# KiCad board MiniCamel_long.kicad_pcb (continued)
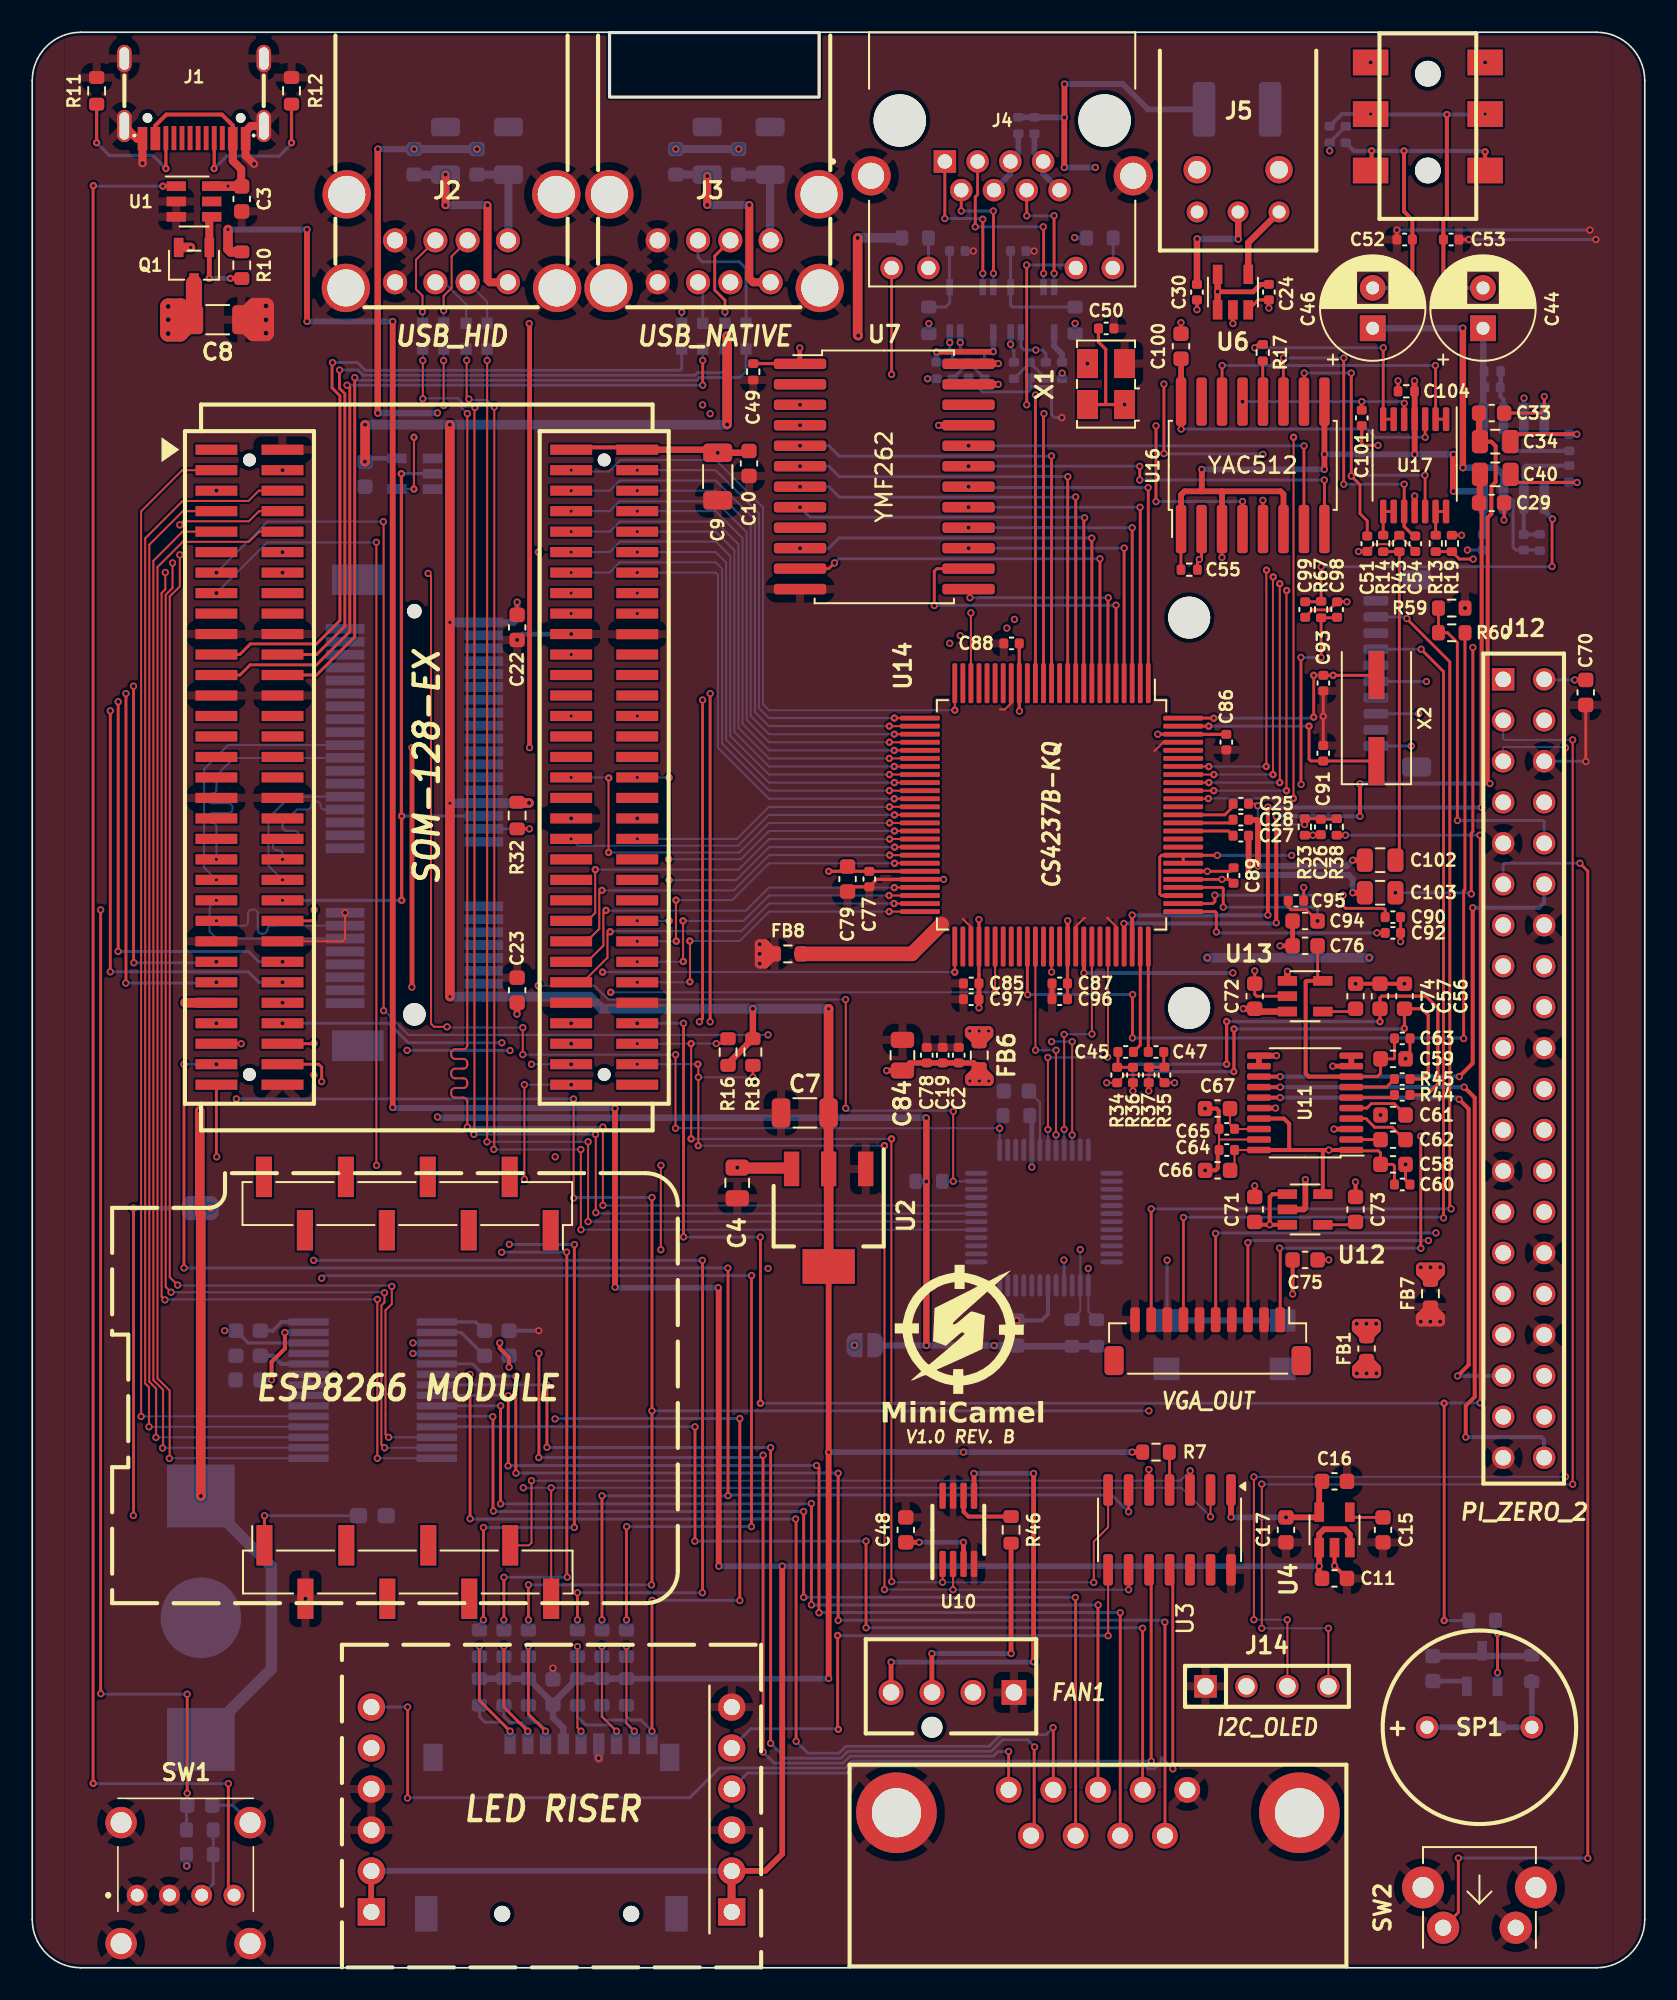
[diagram p0: board, top side]
## Routing (per net, layer and track width the routed paths; a pad name or vN(x,y) marks a point on that pad's centre or on a via; arc(x,y) is an arc through that point) (continued)
SGND: length 19.5
  Top w0.127: U14.71 67.21,64.55 66.68,65.09 66.68,65.11 ; U14.97 70.14,75.98 69.6,75.44 ; U14.53 58.21,64.53 57.71,65.03 ; U14.66 64.71,64.55 65.25,65.09 65.28,65.09 ; U14.18 60.71,78.4 60.33,78.02 60.01,78.02
  Top w0.9: 56.4,64.71 54.55,62.86 FB8.2
VBUS: length 225.7
  Top w0.25: 7.63,113.41 7.63,114.22 8.32,114.9 11.76,114.9 12.25,114.41 12.25,114.41 12.44,114.22 J1.A4/B9
  Top w0.36: 43.37,6 45.45,6 46.51,7.06 v1(46.51,24.9) ; U4.3 81.71,26.88 81.4,27.19 80.11,27.19 79.81,26.89 U4.1 79.81,24.31 ; v1(17.04,107.77) v1(17.04,102.08) ; v1(22.36,102.07) 22.35,102.06 v1(22.35,53.34) ; v1(36.14,42.2) v1(36.14,53.28) ; v1(42.54,42.16) 42.57,42.13 42.57,24.91 v1(42.58,24.9) ; 21.02,6 21.02,3.46
  Top w0.5: 43.37,6 43.37,3.46 ; J1.A4/B9 12.44,112.03 12.96,111.51 12.96,110.47 12.98,110.46
  Top w0.6: C3.2 12.98,110.46 U1.6 ; v2(9.82,106.66) Q1.3 ; R10.2 12.31,106.38 12.14,106.56 v2(12.14,107.77)
  In2.Cu w0.6: v2(12.14,110.46) v2(12.14,107.77) 12.14,106.99 11.81,106.66 v2(9.82,106.66)
  Bottom w0.36: v1(36.14,53.28) 36.11,53.31 22.38,53.31 v1(22.35,53.34) ; v1(42.58,24.9) v1(46.51,24.9) v1(79.81,24.9) ; v1(17.04,102.08) 17.05,102.07 v1(22.36,102.07) ; v1(17.04,107.77) v2(12.14,107.77) ; v1(36.14,42.2) 36.18,42.16 v1(42.54,42.16) ; 43.37,6 21.02,6
VCC: length 88
  Top w0.127: C4.1 v1(43.72,49.6) 43.75,49.58 ; 75.98,46.06 C71.1 ; 77.84,61.78 v1(77.84,61.78) ; 10.02,104.45 Q1.2 ; P1.B2 37.44,94.2
  Top w0.18: 93.8,79.84 J12.2 ; C70.1 v1(95.66,79.84) ; 20.43,13.88 20.42,13.87
  Top w0.2: C49.1 47.6,99.46 ; 66.57,96.92 66.57,100.35 66.12,100.8 C50.1 ; X1.4 v1(67.74,96.92)
  Top w0.25: 37.44,94.2 37.38,94.26 33.56,94.26 P1.B1 ; U12.1 76.92,47.96 76.74,47.79 v1(76.74,46.06) ; v1(76.74,46.06) 75.98,46.06 ; v1(76.74,46.06) 77.84,46.06
  Top w0.3: C24.2 76.18,104.37 75.72,103.91 73.51,103.91 ; 47.6,99.46 v1(47.6,100.43)
  Top w0.35: v1(52.98,55.62) 53,55.63 C84.2 54.43,56.1 C78.2 C2.2 58.38,56.1 FB6.1 58.72,54.99 v2(58.73,54.98)
  Top w0.4: C30.1 72.23,107.18 v1(72.24,107.19) ; v1(75.1,59.46) C72.1 75.98,59.28 77.84,59.28 ; P1.B2 42.32,94.12 v1(42.51,93.93) 44.34,93.93 C10.1 ; U13.1 77.84,61.78 ; 47.6,99.46 47.61,99.44 ; U6.5 v1(73.51,103.92) U6.1 ; v1(74.79,107.18) 74.79,108.85 J5.2
  Top w0.6: 82.75,37.76 82.15,37.15 v1(82.15,36.85) v1(83.35,36.85) 83.35,37.15 82.75,37.76 ; 82.75,37.76 v1(82.75,36.85) ; v2(58.15,54.98) 58.15,55.18 FB6.1 59.32,55.16 v2(59.32,54.98) v2(58.15,54.98)
  Top w0.7: U2.3 47.04,49.58 43.75,49.58
  Top w1: C8.1 9.2,103 v3(8.43,103) v3(8.43,101.32) 9.16,101.32 C8.1 ; C8.1 10.02,104.45 ; C8.1 v3(8.43,102.18)
  Bottom w0.18: v1(95.66,79.84) 93.8,79.84
  Bottom w0.2: U5.26 13.38,38.74 C14.1 11.94,39.49 v1(11.93,39.5)
  Bottom w0.3: U5.22 U5.23 18.74,36.79 v1(18.75,36.8)
  Bottom w0.36: D4.1 SP1.1
  Bottom w0.4: v1(72.24,107.19) 74.78,107.19 v1(74.79,107.18)
  Bottom w0.5: v1(43.81,112.76) v1(39.91,112.76) ; 9.58,7.02 v1(9.58,6.31)
  vias: v1(11.07,47.1) v1(50.99,38.6)
/_LAN_RX+: length 12.1
  Top w0.18: v1(62.7,107.94) 62.72,107.92 v1(62.72,105.05) ; J4.3 58.63,109.93 58.48,109.79 v1(58.48,107.94)
  Bottom w0.18: v1(62.7,107.94) v1(58.48,107.94) ; T3.5 v1(62.72,105.05)
/_LAN_RX-: length 7.7
  Top w0.18: v1(63.37,108.63) v1(63.37,105.05) ; v1(61.67,108.62) J4.6
  Bottom w0.18: v1(63.37,108.63) 63.36,108.62 v1(61.67,108.62) ; T3.4 v1(63.37,105.05)
/_LAN_TX+: length 10.1
  Top w0.18: v1(58.95,105.05) v1(58.95,108.41) ; v1(56.59,108.45) J4.1
  Bottom w0.18: v1(58.95,105.05) T2.5 ; v1(56.59,108.45) 58.91,108.45 v1(58.95,108.41)
/_LAN_TX-: length 8
  Top w0.18: v1(59.61,105.05) 59.61,108.91 v1(59.6,108.92) ; v1(57.61,108.92) J4.2
  Bottom w0.18: v1(59.61,105.05) 59.6,105.04 T2.4 ; v1(59.6,108.92) v1(57.61,108.92)
/_RESET: length 2.4
  Top w0.127: 70.53,31.95 R7.1
  Top w0.18: 70.53,29.61 70.53,31.95
/A0: length 39.4
  Top w0.127: v2(57.21,77.97) 57.21,77.97 U14.25
  Bottom w0.127: v2(57.21,77.97) 57.21,77.97 45.69,77.97 45.32,78.34 45.32,90.55 42.38,93.49 36.49,93.49 35.77,92.77 33.5,92.77 v2(33.42,92.85)
/A1: length 31
  Top w0.127: U14.26 v2(53.46,77.48)
  Bottom w0.127: v2(53.46,77.48) 45.69,77.48 45.07,78.1 45.07,90.16 42.38,92.85 v2(37.52,92.85)
/A2: length 35.2
  Top w0.127: U14.27 v2(53.15,76.98)
  Bottom w0.127: v2(53.15,76.98) 45.69,76.98 44.81,77.86 44.81,89.78 42.38,92.21 36.44,92.21 35.81,91.58 v2(33.42,91.58)
/A3: length 30.7
  Top w0.127: U14.28 v4(53.46,76.48)
  Bottom w0.127: v2(37.52,91.58) 42.38,91.58 44.56,89.4 44.56,77.61 45.69,76.48 v4(53.46,76.48)
/A4: length 34.9
  Top w0.127: U14.29 v2(53.15,75.98)
  Bottom w0.127: v2(53.15,75.98) 45.69,75.98 44.3,77.36 44.3,88.99 42.38,90.92 36.42,90.92 35.81,90.31 v2(33.42,90.31)
/A5: length 30.4
  Top w0.127: v2(53.46,75.48) 53.46,75.48 U14.30
  Bottom w0.127: v2(37.52,90.31) 42.38,90.31 44.05,88.64 44.05,77.12 45.69,75.48 v2(53.46,75.48)
/A6: length 34.6
  Top w0.127: U14.31 v2(53.15,74.98)
  Bottom w0.127: v2(33.42,89.04) 35.82,89.04 36.44,89.66 42.38,89.66 43.8,88.24 43.8,76.87 45.69,74.98 v2(53.15,74.98)
/A7: length 30.2
  Top w0.127: U14.32 53.46,74.48 v2(53.46,74.48)
  Bottom w0.127: v2(37.52,89.04) 42.38,89.04 43.54,87.88 43.54,76.63 45.69,74.48 v2(53.46,74.48)
/A8: length 34.4
  Top w0.127: U14.33 53.16,73.98 v2(53.16,73.98)
  Bottom w0.127: v2(33.42,87.77) 35.81,87.77 36.46,88.42 42.39,88.42 43.29,87.52 43.29,76.38 45.69,73.98 v2(53.16,73.98)
/A9: length 29.9
  Top w0.127: U14.34 53.47,73.48 v2(53.47,73.48)
  Bottom w0.127: v2(37.52,87.77) 42.38,87.77 43.03,87.11 43.03,76.13 45.69,73.48 v2(53.47,73.48)
/A10: length 34.1
  Top w0.127: U14.35 53.16,72.98 v2(53.15,72.98)
  Bottom w0.127: v2(33.42,86.5) 35.8,86.5 36.44,87.14 42.38,87.14 42.78,86.74 42.78,75.9 45.7,72.98 v2(53.15,72.98)
/A11: length 29.6
  Top w0.127: U14.36 v2(53.46,72.48)
  Bottom w0.127: v2(53.46,72.48) 45.69,72.48 42.53,75.64 42.53,86.36 42.39,86.5 v2(37.52,86.5)
/A12: length 61
  Top w0.127: U14.94 72.95,74.48 v2(72.96,74.47) ; v2(76.54,86.65) 76.54,86.65 76.54,74.49 v2(76.52,74.48)
  In1.Cu w0.127: v2(76.54,86.65) 40.14,86.65 39.37,85.88 36.46,85.88 35.81,85.23 v2(33.42,85.23)
  Bottom w0.127: v2(76.52,74.48) 72.97,74.48 v2(72.96,74.47)
/A13: length 57.7
  Top w0.127: v2(76.96,86.23) 76.94,86.22 v2(76.94,73.98) ; U14.93 73.28,73.98 v2(73.28,73.98)
  In1.Cu w0.127: v2(76.96,86.23) 40.35,86.23 39.35,85.23 v2(37.52,85.23)
  Bottom w0.127: v2(73.28,73.98) 73.28,73.98 v2(76.94,73.98)
/A14: length 63
  Top w0.127: U14.92 v2(72.97,73.48) ; v2(77.36,73.48) 77.36,73.48 v2(77.36,85.81)
  In1.Cu w0.127: v2(77.36,85.81) 40.57,85.81 39.35,84.59 36.44,84.59 35.81,83.96 v2(33.42,83.96)
  Bottom w0.127: v2(77.36,73.48) v2(72.97,73.48)
/A15: length 59.7
  Top w0.127: v2(77.79,85.39) 77.78,85.38 v2(77.78,72.98) ; U14.91 v2(73.27,72.98)
  In1.Cu w0.127: v2(77.79,85.39) 40.8,85.39 39.37,83.96 v2(37.52,83.96)
  Bottom w0.127: v2(73.27,72.98) v2(77.78,72.98)
/AEN: length 27
  Top w0.127: v2(35.75,73.77) 35.74,73.76 v2(35.74,69.15) ; U14.39 v2(53.16,70.98)
  Bottom w0.127: v2(53.16,70.98) 45.69,70.98 43.86,69.15 v2(35.74,69.15) ; v2(35.75,73.77) 35.72,73.8 v2(33.42,73.8)
/AUDIO_VREF: length 31.4
  Top w0.18: v1(94.25,86.88) 94.25,89.79 v1(94.28,89.82) ; C99.1 79.9,84.69 R67.1 v1(79.93,86.86)
  In2.Cu w0.3: v1(92.51,97.32) 92.51,94.23 93.78,92.96 93.78,90.32 v1(94.28,89.82)
  Bottom w0.127: 92.51,97.31 v1(92.51,97.32)
  Bottom w0.18: v1(79.93,86.86) 79.94,86.87 94.24,86.87 v1(94.25,86.88)
  Bottom w0.3: v1(94.28,89.82) 93.77,90.32 U15.5 ; 92.51,96.06 92.51,97.31
/BOUT: length 56.6
  Top w0.127: v1(73.38,45.53) 73.39,45.52
  Top w0.18: 73.39,45.52 J15.5
  In2.Cu w0.18: v1(86.46,79.75) 87.05,79.16 v1(87.05,45.56)
  Bottom w0.18: v1(86.46,79.75) J10.5 ; v1(87.05,45.56) 73.41,45.56 v1(73.38,45.53)
/CTS1: length 72.9
  Top w0.127: P1.A10 14.07,89.04 13.44,88.41 9.33,88.41 7.77,86.84 7.77,36.54 8.52,35.78 8.52,31.6 v1(8.5,31.58)
  Bottom w0.127: U5.15 8.51,31.59 v1(8.5,31.58)
/D0: length 25.3
  Top w0.127: U14.41 53.17,69.98 v2(53.17,69.98) ; v2(34.92,68.08) 34.91,68.07 34.91,65.4 34.42,64.91 P1.B47
  Bottom w0.127: v2(34.92,68.08) 43.79,68.08 45.69,69.98 v2(53.17,69.98)
/D1: length 20.9
  Top w0.127: U14.42 v2(53.48,69.48) ; v2(39.5,67.43) v2(39.5,64.91)
  Bottom w0.127: v2(39.5,67.43) 43.64,67.43 45.69,69.48 v2(53.48,69.48) ; v2(39.5,64.91) v2(37.52,64.91)
/D2: length 25.1
  Top w0.127: U14.43 v2(53.17,68.98) ; v2(35.33,66.8) 35.16,66.63 35.16,64.41 34.39,63.64 P1.B49
  Bottom w0.127: v2(35.33,66.8) 43.51,66.8 45.69,68.98 v2(53.17,68.98)
/D3: length 21.1
  Top w0.127: U14.44 53.48,68.48 v2(53.48,68.48) ; v2(39.92,66.19) 39.92,63.67 v2(39.94,63.65)
  Bottom w0.127: v2(39.94,63.65) 39.6,63.65 39.59,63.64 v2(37.52,63.64) ; v2(53.48,68.48) 45.69,68.48 43.4,66.19 v2(39.92,66.19)
/D4: length 24.7
  Top w0.127: U14.47 53.47,66.98 v2(53.46,66.97) ; P1.B51 34.41,62.37 35.42,63.38 35.42,65.39 v2(35.58,65.56)
  Bottom w0.127: v2(53.46,66.97) 45.68,66.97 44.25,65.54 35.61,65.54 v2(35.58,65.56)
/D5: length 20.7
  Top w0.127: v2(40.37,62.39) 40.36,62.4 v2(40.36,64.91) ; v2(53.13,66.48) 53.14,66.48 U14.48
  Bottom w0.127: v2(37.52,62.37) 40.35,62.37 v2(40.37,62.39) ; v2(40.36,64.91) 44.12,64.91 45.69,66.48 v2(53.13,66.48)
/D6: length 24.5
  Top w0.127: v2(53.44,65.98) 53.45,65.98 U14.49 ; v2(35.84,64.23) 35.67,64.06 35.67,62.63 34.15,61.1 P1.B53
  Bottom w0.127: v2(35.84,64.23) 35.88,64.27 43.98,64.27 45.69,65.98 v2(53.44,65.98)
/D7: length 20.8
  Top w0.127: v2(40.78,63.66) 40.79,63.65 40.79,61.14 v2(40.78,61.13) ; U14.50 v2(53.14,65.48)
  Bottom w0.127: v2(40.78,61.13) 40.75,61.1 v2(37.52,61.1) ; v2(53.14,65.48) 45.69,65.48 43.87,63.66 v2(40.78,63.66)
/DCD1: length 72.2
  Top w0.127: v1(6.75,34.18) 6.75,90.3 9.3,92.85 P1.A3
  Bottom w0.127: v1(6.75,34.18) 6.76,34.19 U5.19
/DRQ1: length 40.7
  Top w0.127: U14.51 57.21,61.73 v2(57.21,61.73)
  In2.Cu w0.127: v2(35.37,61.73) 35.37,61.96 34.12,63.21 34.12,68.24 34.82,68.94 34.82,76.21 v2(33.42,77.61)
  Bottom w0.127: v2(57.21,61.73) v2(35.37,61.73)
/DSR1: length 69
  Top w0.127: v1(8.08,32.22) 8.11,32.25 8.11,35.83 7.51,36.44 7.51,87.23 9.32,89.04 P1.A9
  Bottom w0.127: v1(8.08,32.22) 8.1,32.24 U5.16
/DTR1: length 80.2
  Top w0.127: v1(22.1,32.89) 21.91,33.08 21.91,40.76 22.3,41.15 v1(22.3,42.24) ; P1.A8 14.06,90.31 13.43,89.68 9.37,89.68 v1(9.15,89.46) ; v1(9.01,42.33) 8.53,42.81 8.53,85.02 9.15,85.64 v1(9.15,87.6)
  In2.Cu w0.127: v1(9.15,87.6) v1(9.15,89.46)
  Bottom w0.127: U5.12 v1(22.1,32.89) ; v1(9.01,42.33) 9.05,42.29 22.25,42.29 v1(22.3,42.24)
/FM_A0: length 32.2
  Top w0.18: U14.14 62.71,96.33 v1(62.74,96.36)
  In1.Cu w0.18: v1(62.74,96.36) 62.65,96.27 50.33,96.27 49.7,95.63 v1(47.61,95.63)
/FM_A1: length 30
  Top w0.18: U14.13 63.21,93.73 v1(63.21,93.73)
  Bottom w0.18: v1(63.21,93.73) 63.2,93.72 50.05,93.72 49.41,94.36 v1(47.61,94.36)
/FM_D0: length 27.4
  Top w0.18: v1(65.71,88.64) 65.71,88.64 U14.8
  Bottom w0.18: v1(65.71,88.64) 65.7,88.65 50.04,88.65 49.41,88.01 v1(47.61,88.01)
/FM_D1: length 26.6
  Top w0.18: v1(49.75,87.1) 49.39,86.74 47.61,86.74 ; v1(66.21,87.36) 66.21,87.36 U14.7
  Bottom w0.18: v1(49.75,87.1) 50.01,87.36 v1(66.21,87.36)
/FM_D2: length 14.5
  Top w0.18: v1(66.73,84.94) 66.71,84.92 U14.6 ; v1(58.15,84.94) 58.15,85.39 U7.13
  Bottom w0.18: v1(66.73,84.94) v1(58.15,84.94)
/FM_D3: length 20.4
  Top w0.18: v1(55.94,84.46) 55.94,86.59 56.09,86.74 U7.14 ; v1(67.21,84.48) 67.21,84.48 U14.5
  Bottom w0.18: v1(55.94,84.46) 55.95,84.47 67.2,84.47 v1(67.21,84.48)
/FM_D4: length 18
  Top w0.18: U14.4 67.71,88.01 v1(67.72,88.02)
  Bottom w0.18: v1(67.72,88.02) 67.72,88.01 v1(58.06,88.01)
/FM_D5: length 19.8
  Top w0.18: v1(68.21,89.28) 68.21,89.28 U14.3
  Bottom w0.18: v1(68.21,89.28) 68.2,89.28 v1(58.06,89.28)
/FM_D6: length 21.5
  Top w0.18: v1(68.7,90.55) 68.71,90.54 U14.2
  Bottom w0.18: v1(58.06,90.55) 58.07,90.55 v1(68.7,90.55)
/FM_D7: length 23.3
  Top w0.18: U14.1 69.21,91.76 v1(69.2,91.77)
  Bottom w0.18: v1(69.2,91.77) 58.12,91.77 v1(58.06,91.82)
/FM_SYNTH_L: length 10.6
  Top w0.36: v1(81.89,66.65) C103.2 ; 75.44,70.18 C27.2 v1(75.43,67.76)
  Bottom w0.36: v1(81.89,66.65) 81.89,67.5 81.64,67.75 75.44,67.75 v1(75.43,67.76)
/FM_SYNTH_R: length 10.2
  Top w0.36: v1(76.02,68.31) 76.02,71.09 75.94,71.17 75.44,71.17 C28.2 ; v1(81.89,68.67) C102.2
  Bottom w0.36: v1(81.89,68.67) 81.53,68.31 v1(76.02,68.31)
/GOUT: length 51.6
  Top w0.18: v1(75.39,44.96) J15.3
  In2.Cu w0.127: v1(86.58,45.09) 86.55,45.12
  In2.Cu w0.18: v1(86.58,45.09) 86.58,77.15 v1(85.98,77.75)
  Bottom w0.18: v1(85.98,77.75) J10.3 ; v1(75.39,44.96) 75.52,45.09 v1(86.58,45.09)
/HID_VCC: length 146.8
  Top w0.4: v1(55.45,38.58) v1(55.45,48.75) 55.45,52.68 v1(55.44,52.69) ; v1(21.44,112.76) 21.42,112.74 21.42,96.4 v1(21.43,96.39)
  In2.Cu w0.4: v1(25.13,52.75) v1(25.13,96.4) ; v1(61.99,49.64) 61.99,42.84 59.65,40.5 v1(59.65,38.58)
  Bottom w0.127: 61.99,52.69 R42.2
  Bottom w0.3: 61.99,52.69 U9.41 v1(61.99,49.64)
  Bottom w0.4: JP3.2 52.31,38.58 v1(55.45,38.58) C37.2 v1(59.65,38.58) 59.7,38.53 R40.2 R39.2 ; R41.2 54.81,48.75 v1(55.45,48.75) ; v1(55.44,52.69) 55.43,52.7 25.18,52.7 v1(25.13,52.75) ; v1(21.43,96.39) 25.12,96.39 v1(25.13,96.4) ; v1(23.68,112.76) 23.68,112.76 v1(21.44,112.76)
  Bottom w0.5: v1(27.58,112.76) v1(23.68,112.76)
/HSYNC: length 61.1
  Top w0.18: v1(71.39,46.52) J15.7 ; v1(86.13,81.75) 87.52,80.36 v1(87.52,46.49)
  Bottom w0.18: v1(71.39,46.52) 71.4,46.53 87.48,46.53 v1(87.52,46.49) ; v1(86.13,81.75) J10.7
/I2S_BCLK: length 28.9
  Top w0.25: v1(89.33,65.72) 89.33,56.08 v1(88.5,55.25) ; U11.13 v1(77.39,55.25)
  Bottom w0.25: v1(89.33,65.72) 93.45,65.72 93.76,66.03 J12.12 ; v1(77.39,55.25) v1(88.5,55.25)
/I2S_DATA: length 41
  Top w0.25: v1(88.9,32.9) 88.9,34.84 89.46,35.4 89.46,53.94 v1(88.8,54.6) ; U11.14 v1(77.39,54.6)
  Bottom w0.25: J12.40 93.76,32.73 93.59,32.9 v1(88.9,32.9) ; v1(88.8,54.6) v1(77.39,54.6)
/I2S_LRCLK: length 33
  Top w0.25: v1(88.48,53.84) 89.08,53.25 89.08,37.38 v1(88.39,36.69) ; U11.15 v1(77.39,53.95)
  Bottom w0.25: v1(88.39,36.69) 88.61,36.69 88.62,36.7 J12.35 ; v1(88.48,53.84) 88.38,53.95 v1(77.39,53.95)
/IOCHRDY: length 23.4
  Top w0.127: U14.40 53.47,70.48 v2(53.47,70.48) ; v2(39.47,68.73) 39.47,73.76 v2(39.5,73.79)
  Bottom w0.127: v2(39.47,68.73) 43.94,68.73 45.69,70.48 v2(53.47,70.48) ; v2(37.52,73.8) 39.49,73.8 v2(39.5,73.79)
/IRQ7: length 30.2
  Top w0.127: U14.23 58.21,84 v1(58.21,84)
  In1.Cu w0.127: v2(33.42,81.42) 39.87,81.42 42.45,84 v1(58.21,84)
/JAB1: length 16.3
  Top w0.127: v1(66.69,56.46) 66.71,56.48 U14.70 ; v1(62.99,51.97) 62.99,56.43 v1(62.98,56.44)
  Bottom w0.127: U9.43 62.99,51.97 v1(62.99,51.97) ; v1(66.69,56.46) 66.67,56.44 v1(62.98,56.44)
/JAB2: length 13.9
  Top w0.127: v1(63.49,51.64) 63.49,56.88 v1(63.49,56.88) ; U14.61 62.21,56.9 v1(62.22,56.89)
  Bottom w0.127: v1(62.22,56.89) 62.23,56.88 v1(63.49,56.88) ; U9.44 v1(63.49,51.64)
/JACX: length 14.3
  Top w0.127: U14.68 65.71,57.9 v1(65.72,57.89) ; v1(63.99,51.97) 63.99,57.86 v1(63.99,57.87)
  Bottom w0.127: v1(65.72,57.89) 65.71,57.88 64,57.88 v1(63.99,57.87) ; v1(63.99,51.97) 63.99,51.97 U9.45
/JACY: length 13.9
  Top w0.127: v1(64.49,57.42) v1(64.49,51.63) ; v1(63.21,61.73) U14.63
  In2.Cu w0.127: v1(63.21,57.42) v1(63.21,61.73)
  Bottom w0.127: v1(63.21,57.42) v1(64.49,57.42) ; U9.46 v1(64.49,51.63)
/KBCLK: length 82.1
  Top w0.127: v1(31.39,87.77) 31.39,60.9 v1(31.38,60.89) ; v1(50.45,53.29) 50.45,60.02 v1(50.44,60.03) ; v1(57.12,53.1) 57.11,53.09 v1(57.11,48.76)
  In1.Cu w0.127: v1(15.52,87.77) v1(31.39,87.77)
  Bottom w0.127: v1(50.44,60.03) 35.73,60.03 34.87,60.89 v1(31.38,60.89) ; U9.35 v1(57.11,48.76) R41.1 ; v1(57.12,53.1) 57.08,53.14 50.6,53.14 v1(50.45,53.29)
/KBDATA: length 80.9
  Top w0.127: v1(39.89,52.05) 39.89,56.6 v1(39.9,56.61) ; v1(25.72,58.34) 24.92,58.34 24.73,58.53 24.73,86.27 v1(24.55,86.45) ; v1(30.42,56.62) v1(30.42,58.29)
  In1.Cu w0.127: v1(24.55,86.45) 24.5,86.5 v1(15.52,86.5)
  Bottom w0.127: v1(59.99,52.05) v1(39.89,52.05) ; U9.37 59.99,52.61 R42.1 ; v1(39.9,56.61) 30.43,56.61 v1(30.42,56.62) ; v1(30.42,58.29) 25.77,58.29 v1(25.72,58.34)
/LAN_RX+: length 101.5
  Top w0.18: v1(4.84,61.75) v1(4.84,77.93)
  In1.Cu w0.18: v1(4.84,77.93) 5.45,77.93 5.7,78.18 38.33,78.18 42.27,82.12 v1(56.9,82.12)
  In2.Cu w0.18: v1(56.9,100.76) v1(56.9,82.12)
  Bottom w0.18: v1(15.52,61.1) 14.05,61.1 13.4,61.75 v1(4.84,61.75) ; R69.1 57.08,100.14 56.9,100.32 v1(56.9,100.76) T2.1
/LAN_RX-: length 101.2
  Top w0.18: v1(5.33,78.49) 5.33,63.02 v1(5.32,63.01)
  In1.Cu w0.18: v1(57.55,82.59) 42.31,82.59 38.21,78.49 v1(5.33,78.49)
  In2.Cu w0.18: v1(57.55,100.76) v1(57.55,82.59)
  Bottom w0.18: v1(5.32,63.01) 13.41,63.01 14.05,62.37 v1(15.52,62.37) ; R71.1 59.06,100.11 58.89,100.28 57.69,100.28 57.55,100.42 v1(57.55,100.76) T2.2
/LAN_TX+: length 99.7
  Top w0.18: v1(5.8,61.05) 5.81,61.06 v1(5.81,79)
  In1.Cu w0.18: v1(5.81,79) 6.01,78.8 38.08,78.8 42.34,83.06 v1(60.44,83.06)
  In2.Cu w0.18: v1(60.44,83.06) 60.44,96.64 60.6,96.8 60.6,100.59 v1(60.67,100.66)
  Bottom w0.18: v1(5.8,61.05) 11.37,61.05 v1(11.42,61.1) ; T3.1 v1(60.67,100.66) 60.67,100.47 60.88,100.26 R70.1
/LAN_TX-: length 99.3
  Top w0.18: v1(6.28,79.46) 6.28,62.33 v1(6.3,62.31)
  In1.Cu w0.18: v1(60.91,83.6) 60.84,83.53 42.38,83.53 37.95,79.1 6.64,79.1 v1(6.28,79.46)
  In2.Cu w0.18: v1(60.91,83.6) 60.91,96.89 61.71,97.69 61.71,99.77 v1(62.24,100.3)
  Bottom w0.18: R72.1 62.86,100.08 62.64,100.3 v1(62.24,100.3) 61.52,100.3 61.32,100.5 T3.2 ; v1(11.42,62.37) 11.36,62.31 v1(6.3,62.31)
/LINE_OUT_CS_L: length 51.1
  Top w0.25: v1(89.88,71.94) 89.88,71.94 89.88,90.67 C29.2 ; v1(68.21,65.27) U14.73 ; v1(76.63,71.96) v1(76.63,65.27)
  Top w0.4: C29.2 89.78,90.87 C40.1
  Bottom w0.25: v1(68.21,65.27) 68.23,65.25 76.61,65.25 v1(76.63,65.27) ; v1(89.88,71.94) 76.65,71.94 v1(76.63,71.96)
/LINE_OUT_CS_R: length 56.8
  Top w0.25: v1(90.4,73.42) 90.26,73.56 90.26,89.91 90.49,90.14 90.49,91.86 90.75,92.12 90.75,94.35 90.48,94.62 C34.1 ; v1(67.7,64.74) 67.71,64.73 U14.72 ; v1(82.34,71.39) v1(82.34,73.4) ; v1(77.15,71.39) v1(77.15,64.79)
  Top w0.4: C34.1 89.73,94.67 C33.2
  Bottom w0.25: v1(90.4,73.42) 82.36,73.42 v1(82.34,73.4) ; v1(82.34,71.39) v1(77.15,71.39) ; v1(77.15,64.79) 77.11,64.74 v1(67.7,64.74)
/MIDI_AUDIO_L: length 32.1
  Top w0.18: R36.1 v1(68.26,54.36)
  Top w0.2: v2(83.58,58.66) C57.2 83.58,60.13 83.69,60.24 86.43,60.24 87.17,59.5 87.17,54.8 86.49,54.12 R44.2 ; v2(74.07,58.67) v2(74.07,56.02)
  Bottom w0.2: v2(83.58,58.66) 74.08,58.66 v2(74.07,58.67) ; v1(68.26,54.36) 68.26,55.75 68.53,56.02 v2(74.07,56.02)
/MIDI_AUDIO_R: length 27.8
  Top w0.18: R37.1 v1(69.24,54.36)
  Top w0.2: v2(74.52,55.56) 74.53,55.57 v2(74.53,58.2) ; R45.2 86.15,55.1 86.57,55.52 86.57,59.06 86.17,59.46 C56.2 85.1,58.25 v2(85.09,58.24)
  Bottom w0.2: v2(85.09,58.24) 85.05,58.2 v2(74.53,58.2) ; v2(74.52,55.56) 69.36,55.56 69.24,55.44 v1(69.24,54.36)
/MIDI_OUT: length 58
  Top w0.18: v1(61.73,60.33) 61.71,60.35 U14.60 ; v1(88.77,57.61) 88.77,66.77 88.85,66.85 88.85,82.76 R60.1 ; v1(68.23,57.65) 68.23,60.33 v1(68.24,60.34)
  Bottom w0.18: v1(68.24,60.34) 61.74,60.34 v1(61.73,60.33) ; v1(68.23,57.65) 88.73,57.65 v1(88.77,57.61)
/MSCLK: length 104.2
  Top w0.127: v1(21.79,59.34) 21.79,89.64 v1(21.77,89.66)
  In1.Cu w0.127: v1(65.49,43.36) v1(45.63,43.36)
  In2.Cu w0.127: v1(45.63,43.36) v1(45.63,57.84)
  Bottom w0.127: v1(21.79,59.34) 21.83,59.34 23.33,57.84 v1(45.63,57.84) ; v1(11.42,86.5) 14.58,89.66 v1(21.77,89.66) ; v1(65.49,43.36) U9.13 65.49,40.69 R39.1
/MSDATA: length 103.3
  Top w0.127: v1(38.99,49.75) 38.98,49.74 v1(38.98,44.52) ; v1(21.34,88.38) 21.34,49.76 v1(21.35,49.75)
  In1.Cu w0.127: v1(38.98,44.52) 64.98,44.52 v1(64.99,44.53) ; v1(21.35,49.75) v1(38.99,49.75)
  Bottom w0.127: v1(64.99,44.53) U9.14 64.99,40.69 R40.1 ; v1(11.42,85.23) 14.56,88.37 21.33,88.37 v1(21.34,88.38)
/PE0_CLK+: length 10.5
  Bottom w0.127: v2(11.42,64.91) 11.72,64.61 13.15,64.61 arc(13.32,64.68) 13.39,64.85 13.39,65.37 arc(13.46,65.54) 13.63,65.61 13.75,65.61 arc(13.92,65.54) 13.99,65.37 13.99,64.35 arc(14.06,64.18) 14.23,64.11 14.35,64.11 arc(14.52,64.18) 14.59,64.35 14.59,64.37 arc(14.66,64.54) 14.83,64.61 J7.13
/PE0_CLK-: length 10.7
  Bottom w0.127: v2(11.42,66.18) 11,65.76 11,64.25 11.44,63.81 J7.11
/PE0_RX+: length 16.5
  Bottom w0.127: J7.33 12.15,75.81 10.66,74.32 10.66,68.21 v2(11.42,67.45)
/PE0_RX-: length 16.8
  Bottom w0.127: J7.31 12.51,75.01 11.42,73.92 11.42,73.04 arc(11.35,72.87) 11.18,72.8 11.16,72.8 arc(10.99,72.73) 10.92,72.56 10.92,72.44 arc(10.99,72.27) 11.16,72.2 12.18,72.2 arc(12.35,72.13) 12.42,71.96 12.42,71.84 arc(12.35,71.67) 12.18,71.6 11.16,71.6 arc(10.99,71.53) 10.92,71.36 10.92,71.24 arc(10.99,71.07) 11.16,71 11.18,71 arc(11.35,70.93) 11.42,70.76 v2(11.42,68.72)
/PE0_TX+: length 9.5
  Bottom w0.127: J7.25 15.98,72.61 14.65,71.28 14.65,68.32 v2(15.52,67.45)
/PE0_TX-: length 9.6
  Bottom w0.127: v2(15.52,68.72) 15.52,69.05 arc(15.45,69.22) 15.28,69.29 15.16,69.29 arc(14.99,69.36) 14.92,69.53 14.92,69.65 arc(14.99,69.82) 15.16,69.89 16.28,69.89 arc(16.45,69.96) 16.52,70.13 16.52,70.25 arc(16.45,70.42) 16.28,70.49 15.76,70.49 arc(15.59,70.56) 15.52,70.73 15.52,70.92 16.41,71.81 17.04,71.81 arc(17.21,71.88) 17.28,72.05 17.28,72.07 arc(17.35,72.24) 17.52,72.31 17.64,72.31 arc(17.81,72.24) 17.88,72.07 17.88,72.05 arc(17.95,71.88) 18.12,71.81 J7.23
/PI_SCL: length 84.3
  Top w0.127: J14.3 77.84,21.57 v1(77.83,21.58) ; v1(75.76,21.58) v1(75.76,30.43) ; v1(95.08,75.64) v1(95.08,30.44)
  Bottom w0.127: v1(75.76,30.43) 75.77,30.44 v1(95.08,30.44) ; v1(75.76,21.58) v1(77.83,21.58) ; v1(95.08,75.64) 95.03,75.69 91.27,75.69 91.22,75.64 J12.5
/PI_SDA: length 87.6
  Top w0.127: v1(80.38,21.05) J14.4 ; v1(95.53,29.98) v1(95.53,76.13) ; v1(76.25,29.99) v1(76.25,21.05)
  Bottom w0.127: J12.3 91.22,76.2 91.29,76.13 v1(95.53,76.13) ; v1(76.25,29.99) 76.27,29.97 95.52,29.97 v1(95.53,29.98) ; v1(76.25,21.05) v1(80.38,21.05)
/PWM1: length 27.5
  Top w0.127: 58.41,30.64 v1(58.4,30.65)
  Top w0.3: P2.4 53.26,17.07 v1(53.26,18.95) ; U10.5 58.41,30.64 ; v1(62.1,30.65) v1(62.1,18.97)
  Bottom w0.3: v1(53.26,18.95) 62.08,18.95 v1(62.1,18.97) ; v1(58.4,30.65) v1(62.1,30.65)
/PWM_CLICK: length 33.8
  Top w0.127: v1(66.72,20.59) 66.72,24.66
  Top w0.18: v2(49.95,20.6) 49.95,14.82 v2(49.99,14.78)
  Bottom w0.127: v1(66.72,20.59) 66.71,20.6
  Bottom w0.18: v2(49.99,14.78) 49.95,14.82 44.56,14.82 43.37,13.62 ; v2(49.95,20.6) 49.96,20.59 66.7,20.59 66.71,20.6
/PWM_GREEN: length 66.9
  Top w0.18: v1(23.27,10.52) 23.28,10.53 v1(23.28,16.16) ; v1(69.4,12.81) 69.39,12.82 69.39,24.54 U3.10
  Bottom w0.18: 21.02,16.16 v1(23.28,16.16) ; v1(69.4,12.81) 50.84,12.81 50.41,12.38 42.62,12.38 40.78,10.54 23.29,10.54 v1(23.27,10.52)
/PWM_RED: length 41.2
  Top w0.18: v1(70.73,12.33) 70.73,24.47 U3.11
  Bottom w0.18: 43.37,11.08 44.36,12.07 50.54,12.07 50.97,12.5 69.04,12.5 69.21,12.34 69.59,12.34 70.03,12.78 70.03,13.03 v1(70.73,12.33)
/PWR_SW: length 119.7
  Top w0.18: SW1.4 12.16,4.85 v1(12.16,11.41) ; v2(3.79,110.49) 3.77,110.47 3.77,11.44 v2(3.78,11.43) ; U1.1 v2(8.1,110.46)
  Bottom w0.18: v2(3.79,110.49) 3.82,110.46 v2(8.1,110.46) ; v2(3.78,11.43) 3.79,11.41 v1(12.16,11.41)
/RI1: length 74.8
  Top w0.127: P1.A6 14.05,91.58 13.41,90.94 9.32,90.94 7,88.62 7,36.22 7.24,35.99 v1(7.24,33.54)
  Bottom w0.127: v1(7.24,33.54) U5.18
/ROUT: length 46.8
  Top w0.18: v1(86.11,51.56) 86.11,44.62 v1(86.12,44.61) ; J15.1 77.39,44.58 v1(77.35,44.62)
  In2.Cu w0.18: v1(85.52,75.75) 86.11,75.16 v1(86.11,51.56)
  Bottom w0.127: v1(77.35,44.62) 77.35,44.62
  Bottom w0.18: v1(86.12,44.61) 86.11,44.62 77.35,44.62 ; v1(85.52,75.75) J10.1
/RS_CTS1: length 69.6
  Top w0.18: J8.8 67.47,22.01 v1(67.47,22.02) ; v1(29.52,35.47) 29.52,31.13 v1(29.51,31.12) ; v1(48.79,22.01) 48.79,30.99 v1(48.64,31.14)
  Bottom w0.18: v1(48.64,31.14) 29.53,31.14 v1(29.51,31.12) ; U5.8 29.5,35.49 v1(29.52,35.47) ; v1(48.79,22.01) 48.8,22.02 v1(67.47,22.02)
/RS_DCD1: length 66.3
  Top w0.18: v1(45.32,31.78) 45.32,31.78 v1(45.32,13.38) ; v1(31.41,31.63) 31.42,31.64 v1(31.42,38.09) ; v1(60.55,13.41) J8.1
  In1.Cu w0.18: v1(31.42,38.09) v1(23.61,38.09)
  Bottom w0.18: v1(23.61,38.09) U5.4 ; v1(31.41,31.63) 45.17,31.63 v1(45.32,31.78) ; v1(60.55,13.41) 59.89,13.41 59.6,13.12 50.71,13.12 50.28,12.69 46.01,12.69 v1(45.32,13.38)
/RS_DSR1: length 65.9
  Top w0.18: v1(45.79,13.92) v1(45.79,32.25) ; v1(31.92,32.27) 31.92,36.13 v1(31.91,36.14) ; J8.6 62.14,8.39 62.14,13.66 v1(62.16,13.69)
  Bottom w0.18: v1(45.79,13.92) 46.72,12.99 50.16,12.99 50.59,13.42 59.47,13.42 60.19,14.14 61.71,14.14 v1(62.16,13.69) ; v1(31.92,32.27) 31.94,32.25 v1(45.79,32.25) ; v1(31.91,36.14) U5.7
/RS_DTR1: length 66.3
  Top w0.18: v1(41.1,33.54) 41.1,26.46 v1(41.09,26.45) ; v1(51.71,26.45) v1(51.71,21.08) ; v1(68.86,21.05) J8.4
  Bottom w0.18: v1(68.86,21.05) 68.83,21.08 v1(51.71,21.08) ; v1(41.09,26.45) v1(51.71,26.45) ; U5.11 25.1,33.55 41.09,33.55 v1(41.1,33.54)
/RS_RI1: length 73.9
  Top w0.18: v1(30,36.67) 29.99,36.66 29.99,30.68 v1(30,30.67) ; 70.25,8.19 70.25,21.42 v1(70.24,21.43) ; v1(49.98,21.54) v1(49.98,30.66)